# KiCad board CRMHJN_capable_carrier.kicad_pcb (continued)
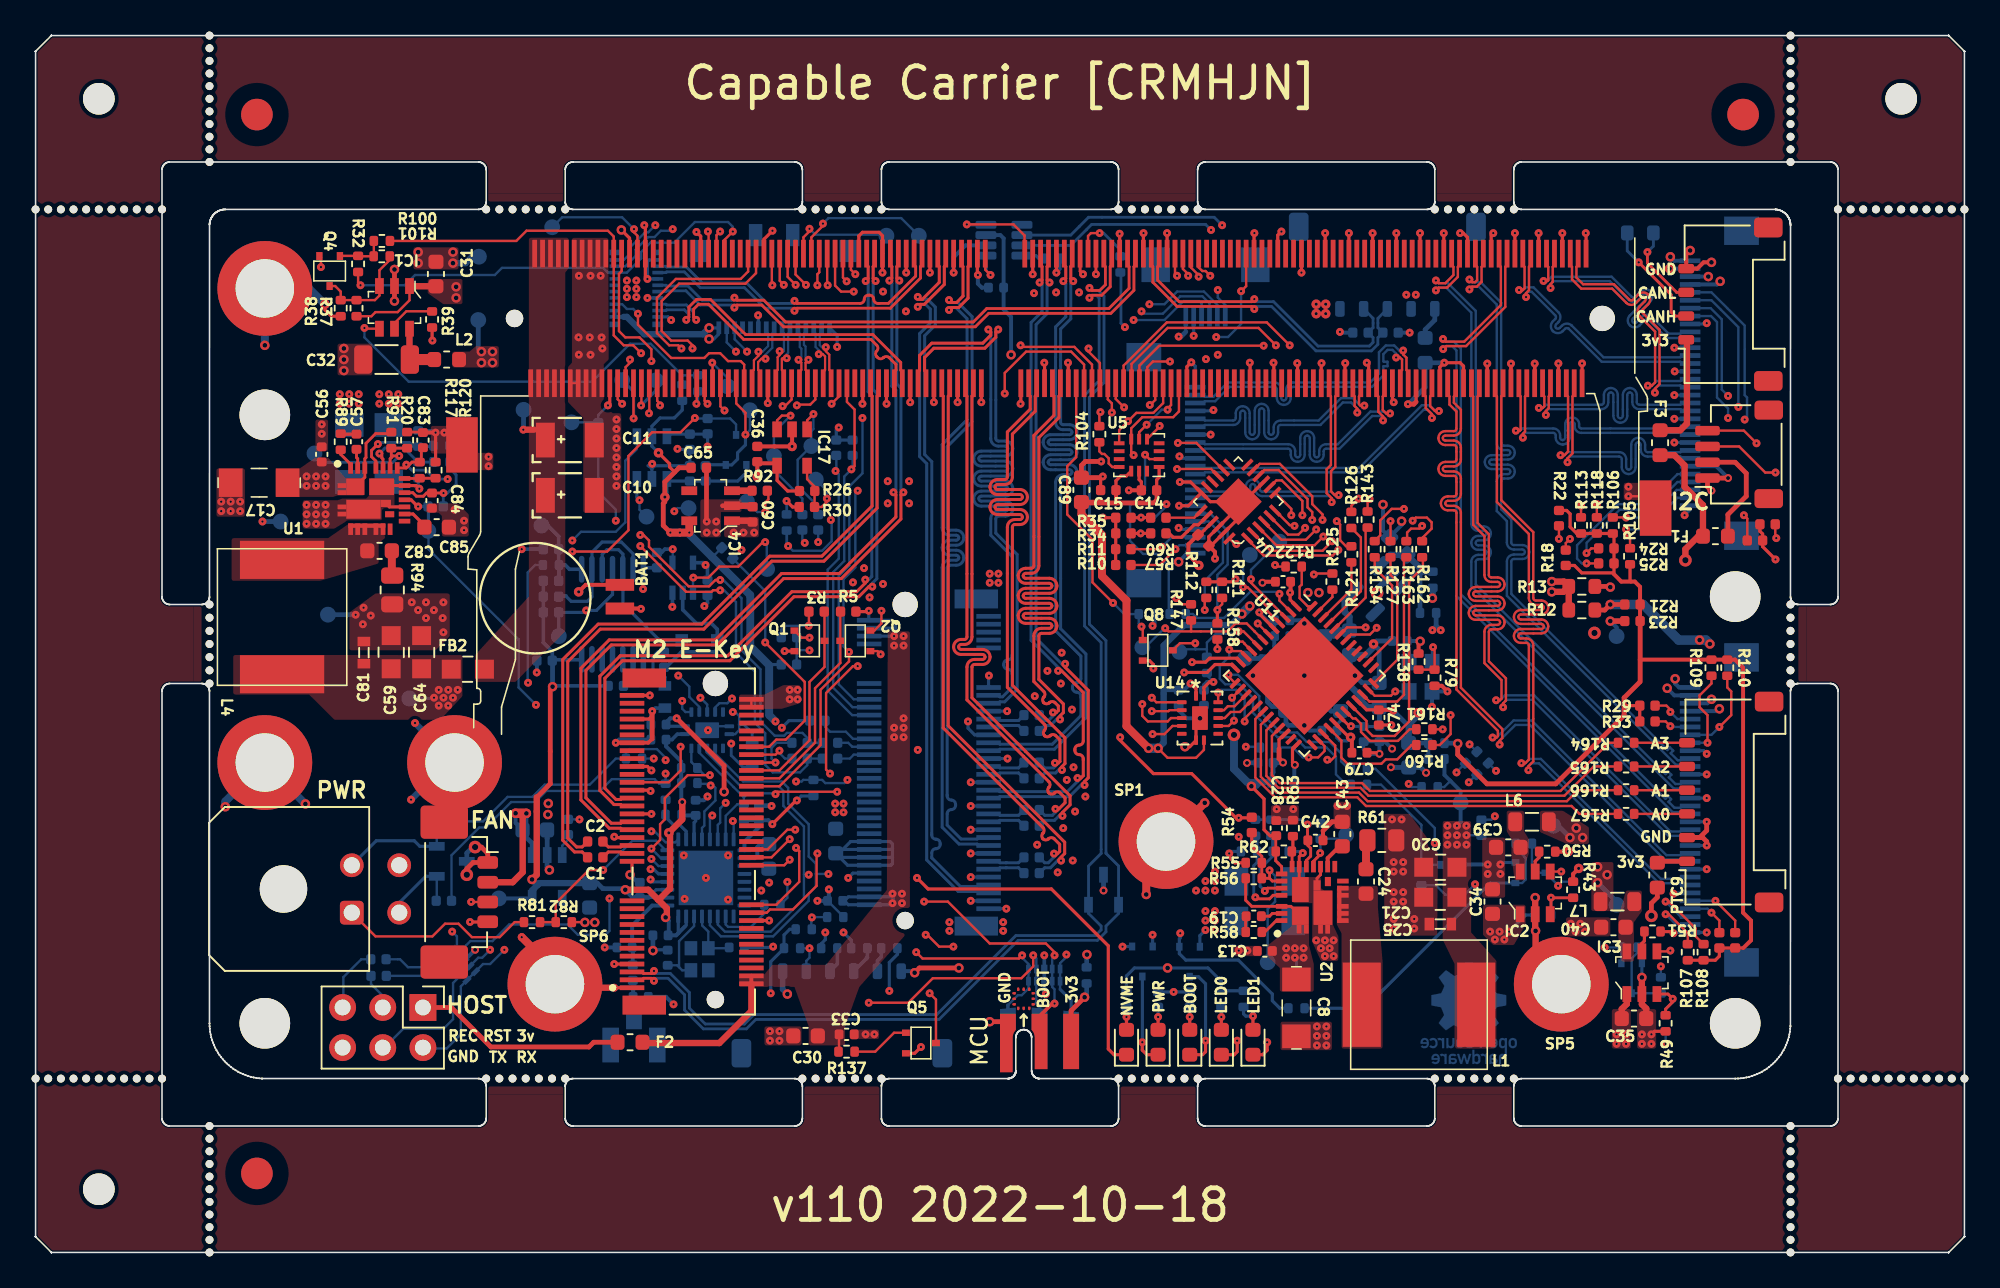
[diagram p0: board, top side]
## Nets (continued)
Board_0-/Supply/3V_VIN: C8.1 C12.1 C13.1 FB3.2 R56.1 TP7.1 U2.1 U2.2 U2.22 U2.26
Board_0-/Supply/5V_BOOT: C57.1 U1.23
Board_0-/Supply/5V_EN: R20.2 R91.2 TP15.1 U1.19
Board_0-/Supply/5V_FB: R117.2 R120.1 U1.17
Board_0-/Supply/5V_MODE1: R15.2 R74.1 U1.21
Board_0-/Supply/5V_MODE2: R17.2 R19.1 U1.20
Board_0-/Supply/5V_PHASE: R89.2 U1.24
Board_0-/Supply/5V_SW: C82.2 L4.1 U1.5 U1.6 U1.7 U1.8 U1.9
Board_0-/Supply/5V_VIN: C17.1 C22.1 C56.1 FB1.2 R91.1 TP11.1 U1.1 U1.2 U1.22 U1.26
Board_0-/Supply/VDD_3V_DCDC: C42.1 R44.1 R48.1 R59.1 U2.15
Board_0-/Supply/VDD_5V_DCDC: C84.1 R15.1 R17.1 R96.1 U1.15
Board_0-/USB/VBUSFLAG: IC1.4 R132.2 R134.1
Board_0-1V8_SYS: C14.2 C15.2 C44.2 C50.2 C65.1 C67.2 C86.2 C89.2 IC4.5 R2.1 R23.2 R95.1 R114.2 R132.1 R133.1 R151.1 T3.1 TP47.1 U3.1 U3.5 U5.5 U5.8 U8.1 U11.1 U14.1 U14.8
Board_0-3V3_CAM: J6.3 J6.4 J7.3 J7.4 L7.2 R12.2 R21.2 R111.1 R112.1 TP25.1
Board_0-3V3_MCU: C4.2 C5.1 C18.2 C23.2 C26.2 C48.2 C53.2 IC5.5 IC12.14 J11.1 R16.1 R36.1 R52.1 R64.2 R65.2 R71.2 R78.1 R83.2 R84.2 R86.2 R87.2 R141.2 TP3.1 U7.2 U7.3 U7.11 U7.17 U7.31 U7.32 U8.14
Board_0-3V3_SYS: C9.1 C20.1 C21.1 C25.1 C28.2 C30.2 C33.2 C35.1 C36.2 C45.2 C46.2 C47.2 C73.1 C90.2 D9.2 F1.2 F2.2 F3.2 IC3.1 IC17.4 J3.1 J4.2 J4.4 J4.72 J4.74 J5.1 J8.2 J8.4 J8.12 J8.14 J8.16 J8.18 J8.70 J8.72 J8.74 J13.17 J13.19 L1.2 PTC9.1 R3.2 R4.1 R5.2 R10.1 R11.1 R26.1 R34.1 R35.1 R47.2 R62.1 R102.1 R103.1 R115.2 R116.2 R128.2 R129.1 R131.1 R137.1 R139.1 R140.1 R146.1 R147.1 R149.1 R152.1 TP20.1 U2.18 U4.21 U4.24 U6.3 U11.22 U14.14
Board_0-3V_PWR_GOOD: R59.2 TP12.1 U2.14
Board_0-5V0_CAM: J6.1 J6.2 J7.1 J7.2 L6.2 R13.2 TP22.1
Board_0-5V0_SYS: C3.1 C31.1 C34.1 C59.1 C60.1 C64.1 C71.2 C81.1 C83.2 C88.2 FB2.1 IC1.1 IC2.1 IC4.1 IC5.1 IC13.5 J12.2 L4.2 R14.2 R31.2 R37.2 R42.2 R46.2 R97.2 R117.1 TP41.1 U1.18 U3.6
Board_0-#RECOVERY: M1.214 R99.2 TP39.1 U10.5
Board_0-#RESET: M1.239 R54.2 R92.2 R98.2 R100.2 R123.2 T2.1 TP29.1 U10.4
Board_0-#SHUTDOWN_REQ: IC12.4 M1.233 R86.1 TP28.1 TP33.1
Board_0-+1V2: C55.2 C58.2 C61.2 C62.2 C66.2 C72.2 FB4.1 R148.1 TP35.1 U11.5 U11.30
Board_0-/CSI/CAM0_SCL: J6.29 R24.2 U4.2
Board_0-/CSI/CAM0_SDA: J6.28 R25.2 U4.1
Board_0-/CSI/CAM1_SCL: J6.6 R18.2 U4.4
Board_0-/CSI/CAM1_SDA: J6.5 R22.2 U4.3
Board_0-/CSI/CAM2_SCL: J7.29 R27.2 U4.6
Board_0-/CSI/CAM2_SDA: J7.28 R28.2 U4.5
Board_0-/CSI/CAM3_SCL: J7.6 R33.2 U4.8
Board_0-/CSI/CAM3_SDA: J7.5 R29.2 U4.7
Board_0-/CSI/CAM3V_EN: IC3.3 Q7.3 R1.1 R41.2 R47.1 R49.2
Board_0-/CSI/CAM4_PWR: J10.1 R12.1 R13.1
Board_0-/CSI/CAM4_SCL: J10.3 R11.2 U4.11
Board_0-/CSI/CAM4_SDA: J10.2 R10.2 U4.10
Board_0-/CSI/CAM5V_EN: IC2.3 Q6.3 R40.2 R42.1 R43.2 R119.1
Board_0-/CSI/CAMREG_EN: Q3.3 R40.1 R41.1 R135.1
Board_0-/CSI/CSI0_CLK_N: J6.20 M1.10
Board_0-/CSI/CSI0_CLK_P: J6.19 M1.12
Board_0-/CSI/CSI0_D0_N: J6.26 M1.4
Board_0-/CSI/CSI0_D0_P: J6.25 M1.6
Board_0-/CSI/CSI0_D1_N: J6.23 M1.16
Board_0-/CSI/CSI0_D1_P: J6.22 M1.18
Board_0-/CSI/CSI1_CLK_N: J6.11 M1.9
Board_0-/CSI/CSI1_CLK_P: J6.10 M1.11
Board_0-/CSI/CSI1_D0_N: J6.17 M1.3
Board_0-/CSI/CSI1_D0_P: J6.16 M1.5
Board_0-/CSI/CSI1_D1_N: J6.14 M1.15
Board_0-/CSI/CSI1_D1_P: J6.13 M1.17
Board_0-/CSI/CSI2_CLK_N: J7.20 M1.28
Board_0-/CSI/CSI2_CLK_P: J7.19 M1.30
Board_0-/CSI/CSI2_D0_N: J7.26 M1.22
Board_0-/CSI/CSI2_D0_P: J7.25 M1.24
Board_0-/CSI/CSI2_D1_N: J7.23 M1.34
Board_0-/CSI/CSI2_D1_P: J7.22 M1.36
Board_0-/CSI/CSI3_CLK_N: J7.11 M1.27
Board_0-/CSI/CSI3_CLK_P: J7.10 M1.29
Board_0-/CSI/CSI3_D0_N: J7.17 M1.21
Board_0-/CSI/CSI3_D0_P: J7.16 M1.23
Board_0-/CSI/CSI3_D1_N: J7.14 M1.33
Board_0-/CSI/CSI3_D1_P: J7.13 M1.35
Board_0-/CSI/CSI4_CLK_N: J10.15 M1.52
Board_0-/CSI/CSI4_CLK_P: J10.14 M1.54
Board_0-/CSI/CSI4_D0_N: J10.21 M1.46
Board_0-/CSI/CSI4_D0_P: J10.20 M1.48
Board_0-/CSI/CSI4_D1_N: J10.18 M1.58
Board_0-/CSI/CSI4_D1_P: J10.17 M1.60
Board_0-/CSI/CSI4_D2_N: J10.12 M1.40
Board_0-/CSI/CSI4_D2_P: J10.11 M1.42
Board_0-/CSI/CSI4_D3_N: J10.9 M1.64
Board_0-/CSI/CSI4_D3_P: J10.8 M1.66
Board_0-/CSI/I2C_EXT_SCL: J15.4 R102.2 U4.15
Board_0-/CSI/I2C_EXT_SDA: J15.3 R103.2 U4.14
Board_0-/FPGA/AUX0: J14.3 R167.1
Board_0-/FPGA/AUX1: J14.4 R166.1
Board_0-/FPGA/AUX2: J14.5 R165.1
Board_0-/FPGA/AUX3: J14.6 R164.1
Board_0-/FPGA/CDONE: R147.2 TP37.1 U11.7
Board_0-/FPGA/CLK: U11.35 U12.3
Board_0-/FPGA/CRESET: Q8.3 R146.2 TP36.1 U11.8
Board_0-/FPGA/ICE_SCK: U11.15 U14.12
Board_0-/FPGA/ICE_SI: U11.17 U14.13
Board_0-/FPGA/ICE_SO: U11.14 U14.10
Board_0-/FPGA/ICE_SS: U11.16 U14.11
Board_0-/FPGA/LED0: D6.1 U11.11
Board_0-/FPGA/LED1: D7.1 U11.12
Board_0-/FPGA/VIO: C74.2 C75.2 C87.2 R138.1 R149.2 R150.2 U11.33 U12.4
Board_0-/I2C Devices/SN_WP: IC17.5 R26.2 R30.2 TP4.1
Board_0-/Interfaces/C_PCIE0_TX0_N: C38.1 J8.47
Board_0-/Interfaces/C_PCIE0_TX0_P: C37.1 J8.49
Board_0-/Interfaces/C_PCIE0_TX1_N: C51.1 J8.35
Board_0-/Interfaces/C_PCIE0_TX1_P: C49.1 J8.37
Board_0-/Interfaces/C_PCIE0_TX2_N: C68.1 J8.23
Board_0-/Interfaces/C_PCIE0_TX2_P: C52.1 J8.25
Board_0-/Interfaces/C_PCIE0_TX3_N: C70.1 J8.11
Board_0-/Interfaces/C_PCIE0_TX3_P: C69.1 J8.13
Board_0-/Interfaces/C_PCIE1_TX0_N: C2.2 J4.37
Board_0-/Interfaces/C_PCIE1_TX0_P: C1.2 J4.35
Board_0-/Interfaces/CANH: J16.2 R156.2 U6.7
Board_0-/Interfaces/CANL: J16.3 R156.1 U6.6
Board_0-/Interfaces/NVME_LED: J8.10 NVME1.1
Board_0-/Interfaces/W_DISABLE1: J4.56 Q1.3 R3.1
Board_0-/Interfaces/W_DISABLE2: J4.54 Q2.3 R5.1
Board_0-/MCU/BUF_EN: C54.2 R70.1 R90.2 U8.8
Board_0-/MCU/BUTTON: J11.5 R52.2 U7.6
Board_0-/MCU/ESP_BOOT: J18.2 R71.1 U7.15 U8.12 U9.2
Board_0-/MCU/ESP_EN: J18.4 R83.1 U7.7 U8.13 U9.4
Board_0-/MCU/ESP_RF: C7.1 L5.2 U7.1
Board_0-/MCU/ESP_RX: J18.3 U7.27 U8.11 U9.5
Board_0-/MCU/ESP_TX: J18.6 U7.28 U8.10 U9.1
Board_0-/MCU/ESP_XTAL_N: C27.1 U7.29 Y1.1
Board_0-/MCU/ESP_XTAL_P: C29.1 U7.30 Y1.3
Board_0-/MCU/GPIO5: R65.1 R72.1 U7.10
Board_0-/MCU/GPIO6: R64.1 R73.1 U7.12
Board_0-/MCU/GPIO7: R80.1 U7.13
Board_0-/MCU/GPIO8: Q5.3 R78.2 U7.14
Board_0-/MCU/GPIO10: R88.2 U7.16
Board_0-/MCU/GPIO19: R93.2 U7.26
Board_0-/MCU/MCU_3v3_EN: IC5.3 R31.1
Board_0-/MCU/RGB0: R75.1 U7.4
Board_0-/MCU/RGB1: R76.1 U7.5
Board_0-/MCU/RGB2: R77.1 U7.9
Board_0-/SoM/PMIC_BBAT: BAT1.+ M1.235
Board_0-/SoM/UART2_RX: J1.2 M1.238 U10.1
Board_0-/SoM/UART2_TX: J1.4 M1.236 U10.2
Board_0-/SPI Devices/IMU_INT1: R104.1 U5.4
Board_0-/Supply/EXT0: D3.2 J9.2 R66.2
Board_0-/Supply/EXT1: D3.1 J9.3 R67.2
Board_0-/Supply/FAN_PMW_5V: J12.4 U3.4
Board_0-/Supply/FAN_TACH_5V: J12.3 R46.1 T3.3
Board_0-/Supply/Q: D13.K IC12.3 IC12.5 R36.2 R85.1
Board_0-/Supply/QDEL: C63.2 D13.A IC13.2 R85.2
Board_0-/Supply/VDRV_3V_DCDC: C43.1 U2.12
Board_0-/Supply/VDRV_5V_DCDC: C85.1 U1.12
Board_0-\PEWAKE_3V3: J8.54 M1.179
Board_0-BT_M2_WAKE_AP: J4.20 M1.124 R4.2 R133.2
Board_0-CAM0_MCLK: M1.116 R126.2
Board_0-CAM0_PWDN: M1.114 R121.2
Board_0-CAM0_RST: J6.31 R105.2 R163.1
Board_0-CAM0_TRIG: J6.30 R106.2 R162.1
Board_0-CAM1_MCLK: M1.122 R125.2
Board_0-CAM1_PWDN: M1.120 R122.2
Board_0-CAM1_RST: J6.8 R113.2 R154.1
Board_0-CAM1_TRIG: J6.7 R118.2 R127.1
Board_0-CAM2_RST: J7.31 R107.2 R153.1
Board_0-CAM2_TRIG: J7.30 R108.2 R155.1
Board_0-CAM3_RST: J7.8 R109.2 R161.1
Board_0-CAM3_TRIG: J7.7 R110.2 R160.1
Board_0-CAM3V_FLAG: IC3.4 R129.2 U11.6
Board_0-CAM3V_PWR: Q7.1 R1.2 R144.1
Board_0-CAM4_RST: J10.6 R111.2 R158.1
Board_0-CAM4_TRIG: J10.5 R112.2 R159.1
Board_0-CAM5V_FLAG: IC2.4 R131.2 U11.9
Board_0-CAM5V_PWR: Q6.1 R119.2 R145.1
Board_0-CAM_I2C_SCL: M1.213 R35.2 R60.2 TP10.1 U11.4
Board_0-CAM_I2C_SDA: M1.215 R34.2 R57.2 TP1.1 U11.3
Board_0-CAM_VIO: R18.1 R21.1 R22.1 R23.1 R24.1 R25.1 R27.1 R28.1 R29.1 R33.1 R105.1 R106.1 R107.1 R108.1 R109.1 R110.1 R113.1 R118.1 R150.1
Board_0-CAN_RX: M1.143 U6.4
Board_0-CAN_TX: M1.145 U6.1
Board_0-ENET_LED0: J3.2 M1.194
Board_0-ENET_LED1: J3.3 M1.188
Board_0-ENET_TRD0_N: J3.14 M1.184
Board_0-ENET_TRD0_P: J3.13 M1.186
Board_0-ENET_TRD1_N: J3.12 M1.190
Board_0-ENET_TRD1_P: J3.11 M1.192
Board_0-ENET_TRD2_N: J3.10 M1.196
Board_0-ENET_TRD2_P: J3.9 M1.198
Board_0-ENET_TRD3_N: J3.8 M1.202
Board_0-ENET_TRD3_P: J3.7 M1.204
Board_0-FAN_PWM: M1.230 TP13.1 U3.3
Board_0-FAN_TACH: M1.208 R95.2 T3.2 TP14.1
Board_0-GND: BAT1.- C3.2 C4.1 C5.2 C6.2 C7.2 C8.2 C9.2 C10.2 C11.2 C12.2 C13.2 C14.1 C15.1 C16.2 C17.2 C18.1 C20.2 C21.2 C22.2 C23.1 C25.2 C26.1 C27.2 C28.1 C29.2 C30.1 C31.2 C32.1 C33.1 C34.2 C35.2 C36.1 C39.2 C40.2 C41.1 C42.2 C43.2 C44.1 C45.1 C46.1 C47.1 C48.1 C50.1 C53.1 C54.1 C55.1 C56.2 C58.1 C59.2 C60.2 C61.1 C62.1 C63.1 C64.2 C65.2 C66.1 C67.1 C71.1 C72.1 C73.2 C74.1 C75.1 C76.1 C77.1 C78.1 C79.1 C80.1 C81.2 C83.1 C84.2 C85.2 C86.1 C87.1 C88.1 C89.1 C90.1 D1.2 D3.3 D4.3 D5.2 IC1.2 IC2.2 IC3.2 IC4.2 IC5.2 IC12.7 IC13.3 IC17.2 J1.6 J2.4 J3.6 J3.15 J4.1 J4.7 J4.18 J4.33 J4.39 J4.45 J4.51 J4.57 J4.63 J4.69 J4.75 J5.2 J6.9 J6.12 J6.15 J6.18 J6.21 J6.24 J6.27 J6.32 J7.9 J7.12 J7.15 J7.18 J7.21 J7.24 J7.27 J7.32 J8.1 J8.3 J8.9 J8.15 J8.21 J8.27 J8.33 J8.39 J8.45 J8.51 J8.57 J8.71 J8.73 J8.75 J8.SH1 J8.SH2 J9.4 J10.4 J10.7 J10.10 J10.13 J10.16 J10.19 J10.22 J11.6 J12.1 J13.2 J13.8 J13.14 J13.20 J14.2 J15.1 J16.4 J18.1 L3.1 M1.1 M1.2 M1.7 M1.8 M1.13 M1.14 M1.19 M1.20 M1.25 M1.26 M1.31 M1.32 M1.37 M1.38 M1.43 M1.44 M1.49 M1.50 M1.55 M1.56 M1.61 M1.62 M1.67 M1.68 M1.73 M1.74 M1.79 M1.80 M1.85 M1.86 M1.102 M1.107 M1.113 M1.119 M1.125 M1.129 M1.132 M1.135 M1.138 M1.141 M1.144 M1.146 M1.147 M1.152 M1.153 M1.158 M1.159 M1.164 M1.165 M1.170 M1.171 M1.176 M1.177 M1.200 M1.201 M1.217 M1.231 M1.241 M1.242 M1.243 M1.244 M1.245 M1.246 M1.247 M1.248 M1.249 M1.250 M1.261 M1.262 Q1.2 Q2.2 Q3.2 Q4.2 Q5.2 Q6.2 Q7.2 Q8.2 R19.2 R20.1 R30.1 R38.1 R39.1 R43.1 R45.2 R49.1 R50.1 R51.1 R53.2 R55.1 R61.2 R63.2 R70.2 R74.2 R79.2 R82.1 R94.2 R120.2 R124.1 R130.2 R136.1 R157.1 SP1.1 SP2.1 SP3.1 SP5.1 SP6.1 SP7.1 T2.2 T4.2 TP17.1 TP44.1 U1.3 U1.4 U1.13 U1.16 U1.25 U1.27 U2.3 U2.4 U2.13 U2.16 U2.25 U2.27 U3.2 U4.9 U4.18 U4.22 U4.23 U4.25 U5.6 U6.2 U7.33 U8.7 U8.15 U9.3 U9.8 U10.3 U10.8 U11.49 U12.2 U13.2 U14.7 U14.15
Board_0-GPIO00: M1.87 R104.2
Board_0-GPIO01: M1.118 R143.2
Board_0-GPIO04: M1.127 R90.1
Board_0-GPIO06: M1.130 Q8.1 R157.2
Board_0-GPIO07: J13.15 M1.206
Board_0-GPIO09: J13.5 M1.211 R32.2
Board_0-GPIO11: M1.216 U8.3
Board_0-GPIO13: M1.228 U8.2
Board_0-I2C0_SCL: IC17.1 M1.185 R69.2 TP23.1
Board_0-I2C0_SDA: IC17.3 M1.187 R68.2 TP24.1
Board_0-I2C1_SCL: J13.3 M1.189 TP2.1
Board_0-I2C1_SDA: J13.1 M1.191 TP18.1
Board_0-I2C2_SCL: M1.232 R7.1 R9.2 TP19.1
Board_0-I2C2_SDA: M1.234 R6.1 R8.2 TP21.1
Board_0-I2S0_DIN: J5.4 M1.195
Board_0-I2S0_DOUT: J5.3 M1.193
Board_0-I2S0_FS: J5.5 M1.197
Board_0-I2S0_SCLK: J5.6 M1.199
Board_0-IMU-INT2: R142.2 U5.9
Board_0-IO0/SDA: R66.1 R68.1 R73.2
Board_0-IO1/SCL: R67.1 R69.1 R72.2
Board_0-M2E_ALERT: J4.62 M1.212 R2.2
Board_0-M2M_ALERT: J8.44 R114.1
Board_0-Net-(AE1-Pad1): AE1.1 C6.1 L5.1
Board_0-Net-(BOOT1-Pad1): BOOT1.1 T2.3
Board_0-Net-(BOOT1-Pad2): BOOT1.2 R14.1
Board_0-Net-(C19-Pad2): C19.2 R58.1
Board_0-Net-(C24-Pad1): C24.1 R61.1
Board_0-Net-(C32-Pad2): C32.2 IC1.6 L2.1
Board_0-Net-(C57-Pad2): C57.2 R89.1
Board_0-Net-(C77-Pad2): C77.2 R148.2 U13.5
Board_0-Net-(C82-Pad1): C82.1 R94.1
Board_0-Net-(D6-Pad2): D6.2 R140.2
Board_0-Net-(D7-Pad2): D7.2 R139.2
Board_0-Net-(IC1-Pad3): IC1.3 Q4.3 R37.1 R38.2 R101.1
Board_0-Net-(IC1-Pad5): IC1.5 R39.2
Board_0-Net-(IC2-Pad5): IC2.5 R50.2
Board_0-Net-(IC3-Pad5): IC3.5 R51.2
Board_0-Net-(IC4-Pad3): IC4.3 R92.1
Board_0-Net-(IC12-Pad2): IC12.2 IC12.6 R16.2
Board_0-Net-(J1-Pad1): F2.1 J1.1
Board_0-Net-(J1-Pad3): J1.3 R98.1
Board_0-Net-(J1-Pad5): J1.5 R99.1
Board_0-Net-(J2-Pad5): J2.5 L3.2
Board_0-Net-(J4-Pad58): J4.58 R8.1
Board_0-Net-(J4-Pad60): J4.60 R9.1
Board_0-Net-(J8-Pad40): J8.40 R7.2
Board_0-Net-(J8-Pad42): J8.42 R6.2
Board_0-Net-(J11-Pad2): J11.2 R75.2
Board_0-Net-(J11-Pad3): J11.3 R76.2
Board_0-Net-(J11-Pad4): J11.4 R77.2
Board_0-Net-(J14-Pad1): J14.1 PTC9.2
Board_0-Net-(J15-Pad2): F1.1 J15.2
Board_0-Net-(J16-Pad1): F3.1 J16.1
Board_0-Net-(J18-Pad5): J18.5 R141.1
Board_0-Net-(NVME1-Pad2): NVME1.2 R128.1
Board_0-Net-(PWR1-Pad1): PWR1.1 T4.3
Board_0-Net-(PWR1-Pad2): PWR1.2 R97.1
Board_0-Net-(Q3-Pad1): Q3.1 R123.1 R135.2
Board_0-Net-(Q4-Pad1): Q4.1 R32.1 R100.1 R101.2
Board_0-Net-(Q5-Pad1): Q5.1 R137.2
Board_0-Net-(R57-Pad1): R57.1 U4.20
Board_0-Net-(R60-Pad1): R60.1 U4.19
Board_0-Net-(R121-Pad1): R121.1 U11.46
Board_0-Net-(R122-Pad1): R122.1 U11.48
Board_0-Net-(R124-Pad2): R124.2 U6.8
Board_0-Net-(R125-Pad1): R125.1 U11.47
Board_0-Net-(R126-Pad1): R126.1 U11.45
Board_0-Net-(R127-Pad2): R127.2 U11.36
Board_0-Net-(R138-Pad2): R79.1 R138.2 U12.1
Board_0-Net-(R142-Pad1): R142.1 U11.2
Board_0-Net-(R143-Pad1): R143.1 U11.44
Board_0-Net-(R144-Pad2): R144.2 U11.13
Board_0-Net-(R145-Pad2): R145.2 U11.10
Board_0-Net-(R153-Pad2): R153.2 U11.43
Board_0-Net-(R154-Pad2): R154.2 U11.38
Board_0-Net-(R155-Pad2): R155.2 U11.42
Board_0-Net-(R158-Pad2): R158.2 U11.27
Board_0-Net-(R159-Pad2): R159.2 U11.26
Board_0-Net-(R160-Pad2): R160.2 U11.28
Board_0-Net-(R161-Pad2): R161.2 U11.31
Board_0-Net-(R162-Pad2): R162.2 U11.32
Board_0-Net-(R163-Pad2): R163.2 U11.34
Board_0-Net-(R164-Pad2): R164.2 U11.21
Board_0-Net-(R165-Pad2): R165.2 U11.20
Board_0-Net-(R166-Pad2): R166.2 U11.19
Board_0-Net-(R167-Pad2): R167.2 U11.18
Board_0-PCIE0_CLK_N: J8.53 M1.160
Board_0-PCIE0_CLK_P: J8.55 M1.162
Board_0-PCIE0_RX0_N: J8.41 M1.131
Board_0-PCIE0_RX0_P: J8.43 M1.133
Board_0-PCIE0_RX1_N: J8.29 M1.137
Board_0-PCIE0_RX1_P: J8.31 M1.139
Board_0-PCIE0_RX2_N: J8.17 M1.149
Board_0-PCIE0_RX2_P: J8.19 M1.151
Board_0-PCIE0_RX3_N: J8.5 M1.155
Board_0-PCIE0_RX3_P: J8.7 M1.157
Board_0-PCIE0_TX0_N: C38.2 M1.134
Board_0-PCIE0_TX0_P: C37.2 M1.136
Board_0-PCIE0_TX1_N: C51.2 M1.140
Board_0-PCIE0_TX1_P: C49.2 M1.142
Board_0-PCIE0_TX2_N: C68.2 M1.148
Board_0-PCIE0_TX2_P: C52.2 M1.150
Board_0-PCIE0_TX3_N: C70.2 M1.154
Board_0-PCIE0_TX3_P: C69.2 M1.156
Board_0-PCIE1_CLK_N: J4.49 M1.173
Board_0-PCIE1_CLK_P: J4.47 M1.175
Board_0-PCIE1_CLKREQ: J4.53 M1.182
Board_0-PCIE1_RST: J4.52 M1.183
Board_0-PCIE1_RX0_N: J4.43 M1.167
Board_0-PCIE1_RX0_P: J4.41 M1.169
Board_0-PCIE1_TX0_N: C2.1 M1.172
Board_0-PCIE1_TX0_P: C1.1 M1.174
Board_0-PEX_L0_CLKREQ_N: J8.52 M1.180 R115.1
Board_0-PEX_L0_RST_N: J8.50 M1.181 R116.1
Board_0-PWR_EN: IC13.4 M1.237 R136.2 TP27.1
Board_0-PWR_EN_OE: IC13.1 R87.1 R93.1 R130.1 TP30.1
Board_0-PWR_GOOD: R96.2 T4.1 TP40.1 U1.14
Board_0-PWR_SET: C41.2 IC12.1 R84.1 R88.1 TP32.1
Board_0-SLEEP_WAKE: M1.240 R80.2 TP31.1
Board_0-SPI0-CIPO: M1.93
Board_0-SPI0-COPI: M1.89
Board_0-SPI0-CS0: M1.95
Board_0-SPI0-CS1: M1.97
Board_0-SPI0-SCK: M1.91
Board_0-SPI1-CIPO: M1.108 U5.1 U14.5
Board_0-SPI1-COPI: M1.104 U5.14 U14.2
Board_0-SPI1-CS0: M1.110 U5.12
Board_0-SPI1-CS1: M1.112 U14.4
Board_0-SPI1-SCK: M1.106 U5.13 U14.3
Board_0-UART0_CTS: J4.34 M1.105
Board_0-UART0_RTS: J4.36 M1.103
Board_0-UART0_RXD: J4.22 M1.101
Board_0-UART0_TXD: J4.32 M1.99
Board_0-UART1_CTS: M1.209
Board_0-UART1_RTS: M1.207
Board_0-UART1_RXD: M1.205 U8.5
Board_0-UART1_TXD: M1.203 U8.4
Board_0-unconnected-(IC12-Pad8): IC12.8
Board_0-unconnected-(IC12-Pad9): IC12.9
Board_0-unconnected-(IC12-Pad10): IC12.10
Board_0-unconnected-(IC12-Pad11): IC12.11
Board_0-unconnected-(IC12-Pad12): IC12.12
Board_0-unconnected-(IC12-Pad13): IC12.13
Board_0-unconnected-(J3-Pad4): J3.4
Board_0-unconnected-(J3-Pad5): J3.5
Board_0-unconnected-(J4-Pad6): J4.6
Board_0-unconnected-(J4-Pad8): J4.8
Board_0-unconnected-(J4-Pad9): J4.9
Board_0-unconnected-(J4-Pad10): J4.10
Board_0-unconnected-(J4-Pad11): J4.11
Board_0-unconnected-(J4-Pad12): J4.12
Board_0-unconnected-(J4-Pad13): J4.13
Board_0-unconnected-(J4-Pad14): J4.14
Board_0-unconnected-(J4-Pad15): J4.15
Board_0-unconnected-(J4-Pad16): J4.16
Board_0-unconnected-(J4-Pad17): J4.17
Board_0-unconnected-(J4-Pad19): J4.19
Board_0-unconnected-(J4-Pad21): J4.21
Board_0-unconnected-(J4-Pad23): J4.23
Board_0-unconnected-(J4-Pad38): J4.38
Board_0-unconnected-(J4-Pad40): J4.40
Board_0-unconnected-(J4-Pad42): J4.42
Board_0-unconnected-(J4-Pad44): J4.44
Board_0-unconnected-(J4-Pad46): J4.46
Board_0-unconnected-(J4-Pad48): J4.48
Board_0-unconnected-(J4-Pad50): J4.50
Board_0-unconnected-(J4-Pad55): J4.55
Board_0-unconnected-(J4-Pad59): J4.59
Board_0-unconnected-(J4-Pad61): J4.61
Board_0-unconnected-(J4-Pad64): J4.64
Board_0-unconnected-(J4-Pad65): J4.65
Board_0-unconnected-(J4-Pad66): J4.66
Board_0-unconnected-(J4-Pad67): J4.67
Board_0-unconnected-(J4-Pad68): J4.68
Board_0-unconnected-(J4-Pad70): J4.70
Board_0-unconnected-(J4-Pad71): J4.71
Board_0-unconnected-(J4-Pad73): J4.73
Board_0-unconnected-(J8-Pad6): J8.6
Board_0-unconnected-(J8-Pad8): J8.8
Board_0-unconnected-(J8-Pad20): J8.20
Board_0-unconnected-(J8-Pad22): J8.22
Board_0-unconnected-(J8-Pad24): J8.24
Board_0-unconnected-(J8-Pad26): J8.26
Board_0-unconnected-(J8-Pad28): J8.28
Board_0-unconnected-(J8-Pad30): J8.30
Board_0-unconnected-(J8-Pad32): J8.32
Board_0-unconnected-(J8-Pad34): J8.34
Board_0-unconnected-(J8-Pad36): J8.36
Board_0-unconnected-(J8-Pad38): J8.38
Board_0-unconnected-(J8-Pad46): J8.46
Board_0-unconnected-(J8-Pad48): J8.48
Board_0-unconnected-(J8-Pad56): J8.56
Board_0-unconnected-(J8-Pad58): J8.58
Board_0-unconnected-(J8-Pad67): J8.67
Board_0-unconnected-(J8-Pad68): J8.68
Board_0-unconnected-(J8-Pad69): J8.69
Board_0-unconnected-(M1-Pad39): M1.39
Board_0-unconnected-(M1-Pad41): M1.41
Board_0-unconnected-(M1-Pad45): M1.45
Board_0-unconnected-(M1-Pad47): M1.47
Board_0-unconnected-(M1-Pad51): M1.51
Board_0-unconnected-(M1-Pad53): M1.53
Board_0-unconnected-(M1-Pad57): M1.57
Board_0-unconnected-(M1-Pad59): M1.59
Board_0-unconnected-(M1-Pad63): M1.63
Board_0-unconnected-(M1-Pad65): M1.65
Board_0-unconnected-(M1-Pad69): M1.69
Board_0-unconnected-(M1-Pad70): M1.70
Board_0-unconnected-(M1-Pad71): M1.71
Board_0-unconnected-(M1-Pad72): M1.72
Board_0-unconnected-(M1-Pad75): M1.75
Board_0-unconnected-(M1-Pad76): M1.76
Board_0-unconnected-(M1-Pad77): M1.77
Board_0-unconnected-(M1-Pad78): M1.78
Board_0-unconnected-(M1-Pad81): M1.81
Board_0-unconnected-(M1-Pad82): M1.82
Board_0-unconnected-(M1-Pad83): M1.83
Board_0-unconnected-(M1-Pad84): M1.84
Board_0-unconnected-(M1-Pad88): M1.88
Board_0-unconnected-(M1-Pad90): M1.90
Board_0-unconnected-(M1-Pad92): M1.92
Board_0-unconnected-(M1-Pad94): M1.94
Board_0-unconnected-(M1-Pad96): M1.96
Board_0-unconnected-(M1-Pad98): M1.98
Board_0-unconnected-(M1-Pad100): M1.100
Board_0-unconnected-(M1-Pad178): M1.178
Board_0-unconnected-(M1-Pad210): M1.210
Board_0-unconnected-(M1-Pad219): M1.219
Board_0-unconnected-(M1-Pad220): M1.220
Board_0-unconnected-(M1-Pad221): M1.221
Board_0-unconnected-(M1-Pad222): M1.222
Board_0-unconnected-(M1-Pad223): M1.223
Board_0-unconnected-(M1-Pad224): M1.224
Board_0-unconnected-(M1-Pad225): M1.225
Board_0-unconnected-(M1-Pad226): M1.226
Board_0-unconnected-(M1-Pad227): M1.227
Board_0-unconnected-(M1-Pad229): M1.229
Board_0-unconnected-(U1-Pad10): U1.10
Board_0-unconnected-(U1-Pad11): U1.11
Board_0-unconnected-(U1-Pad28): U1.28
Board_0-unconnected-(U2-Pad10): U2.10
Board_0-unconnected-(U2-Pad11): U2.11
Board_0-unconnected-(U2-Pad28): U2.28
Board_0-unconnected-(U4-Pad12): U4.12
Board_0-unconnected-(U4-Pad13): U4.13
Board_0-unconnected-(U4-Pad16): U4.16
Board_0-unconnected-(U4-Pad17): U4.17
Board_0-unconnected-(U5-Pad7): U5.7
Board_0-unconnected-(U6-Pad5): U6.5
Board_0-unconnected-(U7-Pad19): U7.19
Board_0-unconnected-(U7-Pad20): U7.20
Board_0-unconnected-(U7-Pad21): U7.21
Board_0-unconnected-(U7-Pad22): U7.22
Board_0-unconnected-(U7-Pad23): U7.23
Board_0-unconnected-(U7-Pad24): U7.24
Board_0-unconnected-(U7-Pad25): U7.25
Board_0-unconnected-(U9-Pad6): U9.6
Board_0-unconnected-(U9-Pad7): U9.7
Board_0-unconnected-(U9-Pad9): U9.9
Board_0-unconnected-(U9-Pad10): U9.10
Board_0-unconnected-(U10-Pad6): U10.6
Board_0-unconnected-(U10-Pad7): U10.7
Board_0-unconnected-(U10-Pad9): U10.9
Board_0-unconnected-(U10-Pad10): U10.10
Board_0-unconnected-(U11-Pad23): U11.23
Board_0-unconnected-(U11-Pad25): U11.25
Board_0-unconnected-(U11-Pad37): U11.37
Board_0-unconnected-(U11-Pad39): U11.39
Board_0-unconnected-(U11-Pad40): U11.40
Board_0-unconnected-(U11-Pad41): U11.41
Board_0-unconnected-(U13-Pad4): U13.4
Board_0-unconnected-(Y1-Pad2): Y1.2
Board_0-unconnected-(Y1-Pad4): Y1.4
Board_0-USB0_D_N: D1.1 J2.2 M1.109
Board_0-USB0_D_P: D5.1 J2.3 M1.111
Board_0-USB1_D_N: J13.12 M1.115
Board_0-USB1_D_P: J13.10 M1.117
Board_0-USB2_D_N: D4.2 J4.5 M1.121
Board_0-USB2_D_P: D4.1 J4.3 M1.123
Board_0-USB_VBUS: J2.1 J13.7 J13.9 J13.11 J13.13 L2.2 TP34.1
Board_0-USBSS_RX_N: J13.6 M1.161
Board_0-USBSS_RX_P: J13.4 M1.163
Board_0-USBSS_TX_N: J13.18 M1.166
Board_0-USBSS_TX_P: J13.16 M1.168
Board_0-VBUS_FLAG: M1.218 R134.2
Board_0-VDD_MOD: C10.1 C11.1 FB2.2 M1.251 M1.252 M1.253 M1.254 M1.255 M1.256 M1.257 M1.258 M1.259 M1.260 TP38.1
Board_0-VIN: FB1.1 FB3.1 J9.1 R81.1 TP16.1
Board_0-W_DISABLE1_CTRL: M1.128 Q1.1
Board_0-W_DISABLE2_CTRL: M1.126 Q2.1

Pads without a net: AE1 2; IC4 4; IC5 4; J2 MP; J3 MP; J4 SH1 SH2; J5 MP; J6 MP; J7 MP; J10 MP; J11 MP; J12 MP; J13 21 22 23 24; J14 MP; J15 MP; J16 MP; U5 2 3 10 11; U8 6 9; U14 6 9

## Via types
v1: diameter 0.5, hole 0.15, Top to Bottom, 807 vias
v2: diameter 0.6, hole 0.3, Top to Bottom, 93 vias
v3: diameter 0.5, hole 0.25, Top to Bottom, 13 vias
v4: diameter 0.6, hole 0.2, Top to Bottom, 15 vias
v5: diameter 0.8, hole 0.4, Top to Bottom, 7 vias

## Routing (per net, layer and track width the routed paths; a pad name or vN(x,y) marks a point on that pad's centre or on a via; arc(x,y) is an arc through that point)
Board_0-/FPGA/VCC2V5: length 2.5
  Top w0.2: U11.24 79.76,32.11 79.5,31.85 79.5,31 v3(79.65,30.85)
  Bottom w0.25: D9.1 79.61,30.81 v3(79.65,30.85)
Board_0-/FPGA/VCCPLL: length 6.9
  Top w0.2: 83.25,32.52 v4(83.17,32.6) 83.08,32.6 82.16,33.52 U11.29
  Top w0.25: C79.2 83.25,32.52
  Bottom w0.2: v4(83.17,32.6) 82.95,32.38 82.5,32.38 82.31,32.56 C78.2 82.31,33.41 82.54,33.64 FB4.2
  Bottom w0.3: FB4.2 81.95,34.25 81.66,34.55 C80.2
Board_0-/FPGA/VIN_1v2: length 8.5
  Bottom w0.2: U13.3 86.38,42.11 87.26,42.98 87.57,42.98
  Bottom w0.3: 87.62,43.04 88.33,43.04 R151.2 ; R152.2 87.57,42.98
  Bottom w0.4: 87.62,43.04 87.57,42.98 87.57,43.3 C76.2 85.69,44.14 U13.1
Board_0-/MCU/VDD_SPI: length 2.2
  Bottom w0.25: C16.1 45.83,25.83 45.65,25.65 45.65,25.1 45.5,24.95 U7.18
Board_0-/MCU/VIN_ADC: length 11.1
  Top w0.15: v1(35.9,24.2) 35,24.2 32.9,22.1 R82.2 R81.2
  Bottom w0.15: v1(35.9,24.2) 37.75,26.05 39.25,26.05 39.85,25.45 39.97,25.45
Board_0-/Supply/3V_BOOT: length 1.4
  Top w0.18: C19.1 78.05,21.28 78.22,21.45 U2.23
Board_0-/Supply/3V_EN: length 11.1
  Top w0.18: 78.05,23.67 v1(78.05,24.17) ; 78.05,23.67 78.22,23.5 U2.19 ; 78.05,23.67 R56.2 R55.2 77.56,25.06 77.35,25.28
  Top w0.2: 77.35,25.28 76.92,25.7 R54.1
  Bottom w0.15: v1(78.05,24.17) 78.4,23.83 78.4,22.2 77.93,21.73 TP8.1
Board_0-/Supply/3V_FB: length 2
  Top w0.18: U2.17 79.47,25.36 R62.2
  Top w0.2: R63.1 79.53,25.44 R62.2
Board_0-/Supply/3V_MODE1: length 5.9
  Top w0.18: v1(77.15,22.47) 77.25,22.38 78.05,22.38 78.28,22.6 U2.21
  Bottom w0.18: R44.2 77.26,26.25 R45.1 77.26,24.69 77.05,24.47 77.05,22.58 v1(77.15,22.47)
Board_0-/Supply/3V_MODE2: length 5.1
  Top w0.18: v1(77.75,22.88) 77.92,23.05 U2.20
  Bottom w0.18: R48.2 78.24,26.28 R53.1 78.24,25.06 77.45,24.28 77.45,23.17 v1(77.75,22.88)
Board_0-/Supply/3V_PHASE: length 1.6
  Top w0.18: R58.2 77.75,20.28 78.47,21 U2.24
Board_0-/Supply/3V_VIN: length 6.8
  Top w0.18: U2.26 79.4,21.9 U2.22 76.92,21.9 76.54,22.28 R56.1
  Bottom w0.15: v1(79.65,18.65) 79.75,18.55 TP7.1
  vias: v1(79.1,19.25) v1(79.1,18.65) v1(79.65,19.25) v1(80.2,19.25) v1(80.2,18.65)
Board_0-/Supply/5V_BOOT: length 1.2
  Top w0.18: C57.1 20.3,50.3 20.38,50.23 U1.23
Board_0-/Supply/5V_EN: length 8.6
  Top w0.18: 22.5,50.3 R91.2 R20.2 ; 22.5,50.3 22.42,50.23 U1.19 ; 22.5,50.3 22.6,50.4 v1(23,50.4)
  Bottom w0.18: TP15.1 18.2,50 22.6,50 v1(23,50.4)
Board_0-/Supply/5V_FB: length 2
  Top w0.18: U1.17 24.28,48.98 R117.2 R120.1
Board_0-/Supply/5V_MODE1: length 5.5
  Top w0.18: v1(21.65,51.15) 21.25,50.75 21.25,50.35 21.52,50.08 U1.21
  Bottom w0.18: R15.2 25.1,50.99 R74.1 23.91,50.99 23.65,51.25 21.75,51.25 v1(21.65,51.15)
Board_0-/Supply/5V_MODE2: length 4.9
  Top w0.18: U1.20 21.98,50.2 21.9,50.27 21.9,50.4 v1(21.75,50.55)
  Bottom w0.18: R17.2 25.16,50.01 R19.1 24.19,50.01 23.3,50.9 22.1,50.9 v1(21.75,50.55)
Board_0-/Supply/5V_PHASE: length 1.4
  Top w0.18: U1.24 19.92,49.88 19.3,50.5 R89.2
Board_0-/Supply/5V_VIN: length 6.4
  Top w0.18: U1.26 20.83,49.05 U1.22 20.83,50.23 20.9,50.3 20.9,51.2 21.51,51.81 22.5,51.81
  Bottom w0.15: 22.39,48.81 FB1.2
  Bottom w0.3: v1(17.14,48.51) 16.41,48.51 16.3,48.4 TP11.1 ; FB1.2 22.39,48.76
  vias: v1(17.14,49.11) v1(17.74,49.11) v1(17.74,48.51) v1(18.34,49.11) v1(18.34,48.51)
Board_0-/Supply/VDD_3V_DCDC: length 7.1
  Top w0.18: U2.15 80.38,24.8 80.65,25.08 80.65,25.58 80.47,25.75 C42.1 80.45,26.09 v1(80.45,27.08)
  Bottom w0.18: R59.1 80.53,27.15 v1(80.45,27.08) 80.14,27.39 R48.1 R44.1
Board_0-/Supply/VDD_5V_DCDC: length 7.1
  Top w0.18: U1.15 23.86,48.08 24.08,47.85 24.52,47.85 24.73,48.05 C84.1 25.8,48.05 v1(25.8,48.05)
  Bottom w0.18: R96.1 25.79,48.04 v1(25.8,48.05) 26.05,48.05 26.6,48.6 26.6,49.2 26.19,49.62 R17.1 R15.1
Board_0-/USB/VBUSFLAG: length 26.2
  Top w0.15: IC1.4 20.85,58.45 v1(20.8,58.5)
  Bottom w0.15: 40.9,55.5 38.9,57.5 37.6,57.5 35.2,55.1 23.6,55.1 20.8,57.9 v1(20.8,58.5) ; 40.9,55.5 R132.2 ; 40.9,55.5 41.89,55.5 R134.1
Board_0-1V8_SYS: length 156.6
  Top w0.15: 79.76,40.89 U11.1 ; U14.8 73.9,31.8 73.4,31.3 71.6,31.3 v2(71,31.9)
  Top w0.2: U5.5 69,49.13 68.64,49.13 68.33,48.84 C15.2 ; v1(79.35,41.75) 79.35,41.3 79.76,40.89 ; v1(73.05,36) 73.4,35.65 U14.1 ; U5.8 71.06,49.04 70.91,48.88 C14.2 ; v4(39.4,50.6) 40.1,49.9 40.1,49.7 40.42,49.38 ; 68.33,47.47 68.38,47.42